# KiCad board JBX16SMD.kicad_pcb (continued)
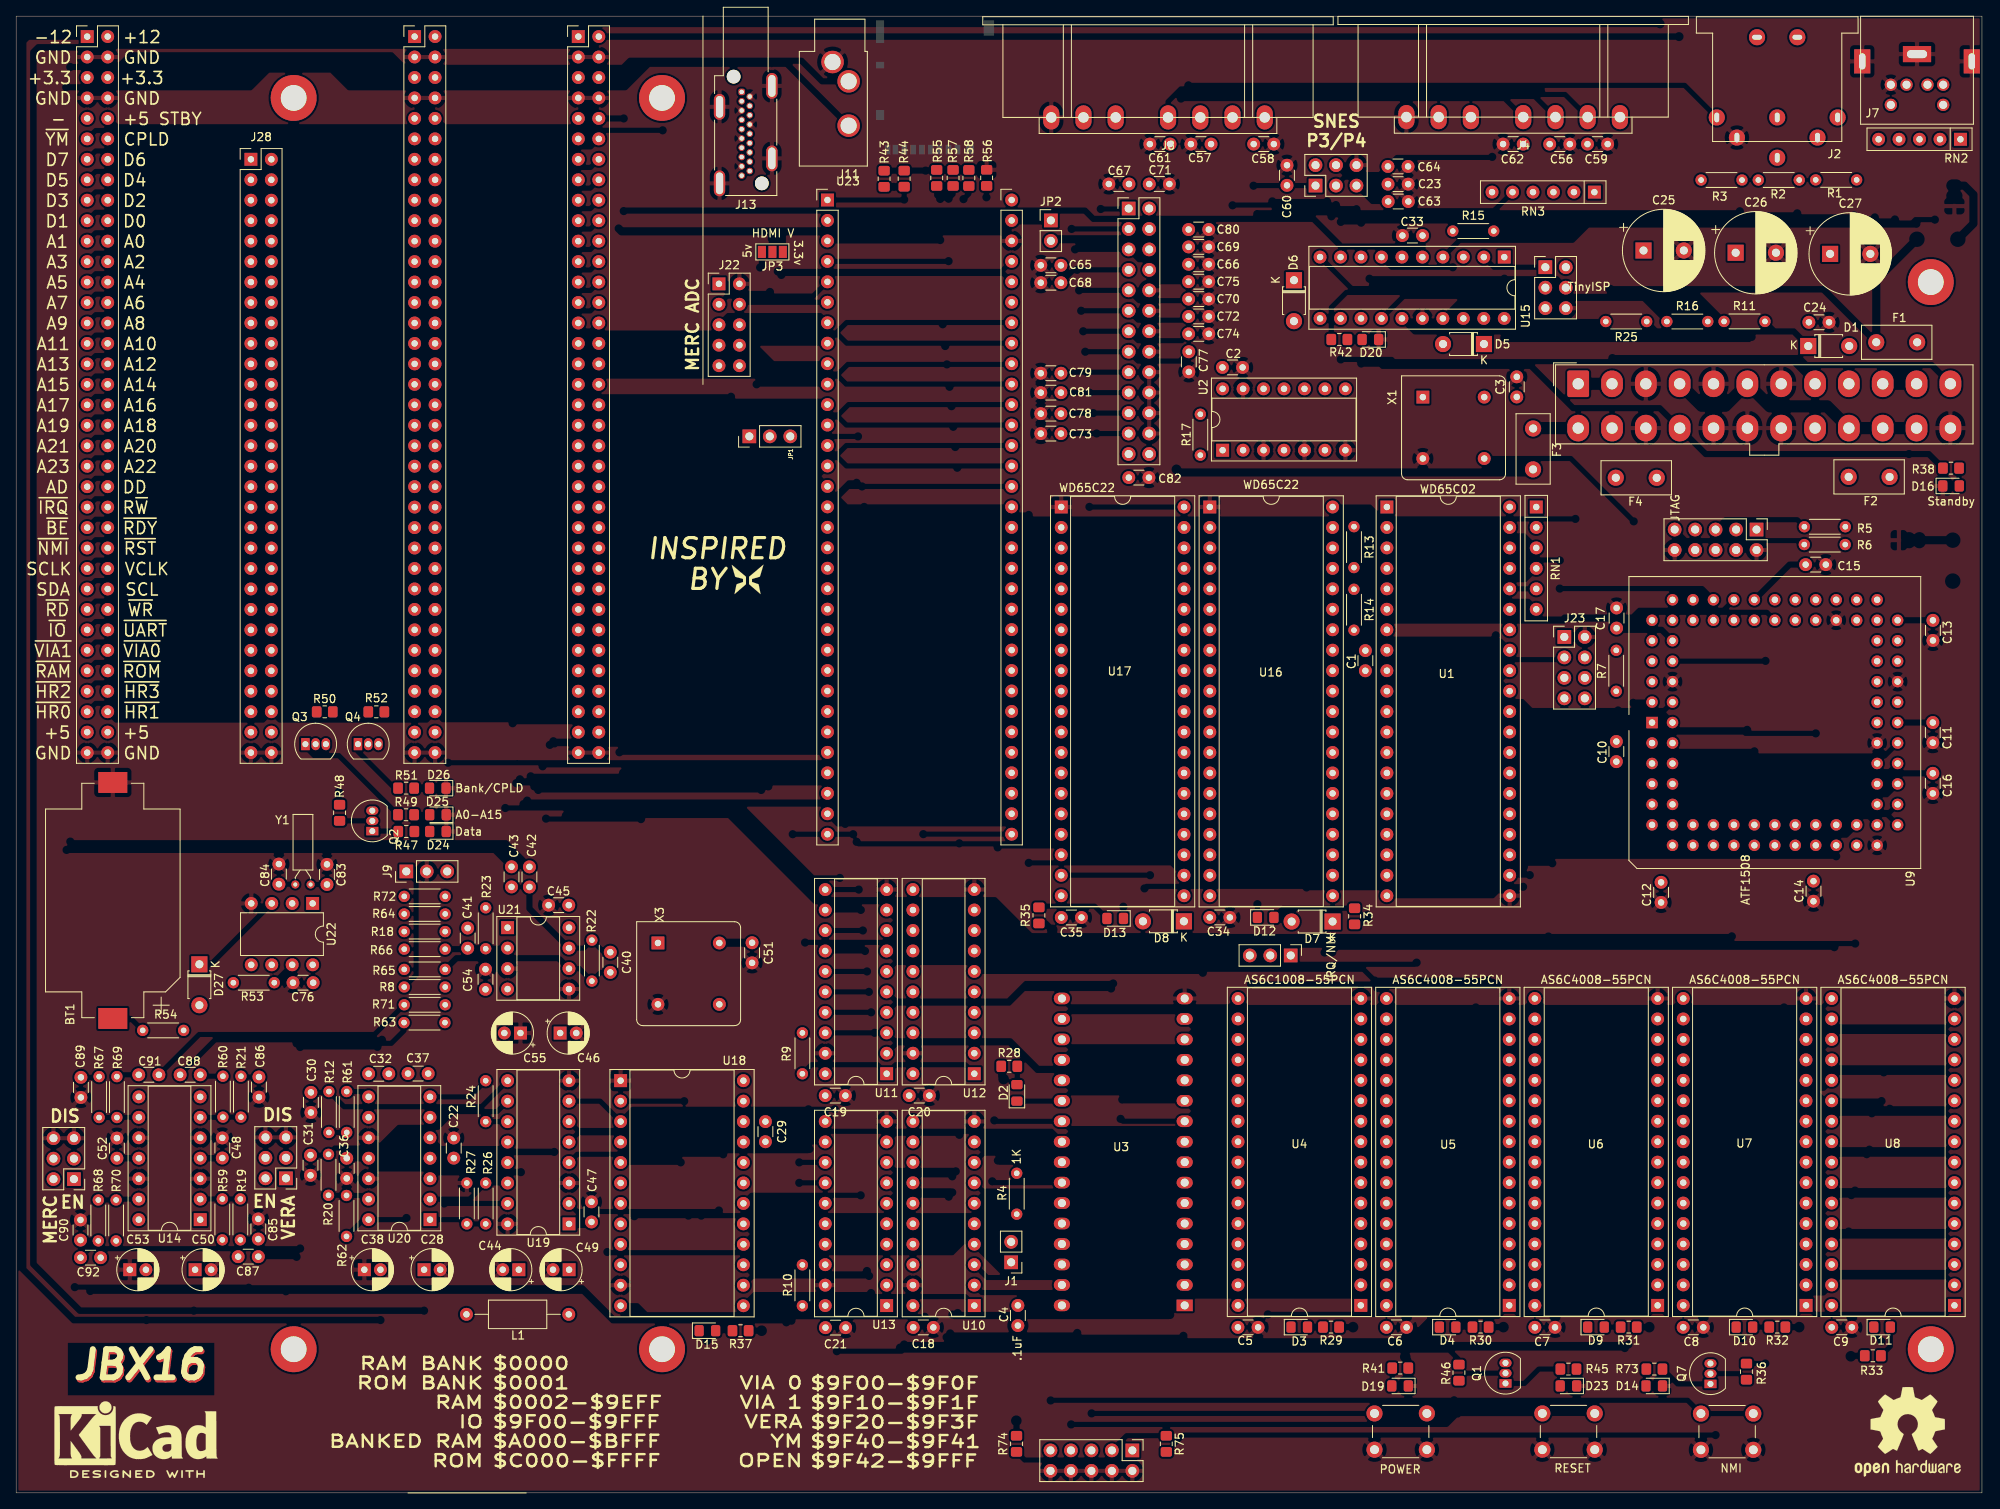
[diagram p0: board, top side]
## Placement (name value [footprint] x y rotation side) (continued)
U8  AS6C4008-55PCN  [DIP-32_W15.24mm_Socket]  240.59 23.28 180 top
U9  ATF1508  [PLCC-84_THT-Socket]  203.05 95.64 90 top
U10  74HC245  [DIP-20_W7.62mm_Socket]  118.93 23.25 180 top
U11  74HC245  [DIP-20_W7.62mm_Socket]  108.05 52.04 180 top
U12  74HC245  [DIP-20_W7.62mm_Socket]  118.93 52.04 180 top
U13  74HC245  [DIP-20_W7.62mm_Socket]  108.05 23.25 180 top
U14  TL074  [DIP-14_W7.62mm_Socket]  22.85 33.93 180 top
U15  ATtiny861-20PU  [DIP-20_W7.62mm_Socket]  184.71 153.43 270 top
U16  WD65C22  [DIP-40_W15.24mm_Socket]  148.16 122.4 0 top
U17  WD65C22  [DIP-40_W15.24mm_Socket]  129.72 122.4 0 top
U18  YM2151  [DIP-24_W15.24mm_Socket]  75.03 51.18 0 top
U19  YM3012  [DIP-16_W7.62mm_Socket]  68.63 33.39 180 top
U20  TL074  [DIP-14_W7.62mm_Socket]  51.37 33.93 180 top
U21  TL072  [DIP-8_W7.62mm_Socket]  61 70.17 0 top
U22  MCP7940N-xP  [DIP-8_W7.62mm]  36.81 73.18 270 top
U23  MercuryII-FPGA  [MercuryII_FPGA]  100.71 160.52 0 top
X1  16mhz  [Oscillator_DIP-8]  174.6 136.04 270 top
X3  3.579545MHz  [Oscillator_DIP-8]  79.66 68.27 270 top
Y1  32.768KHz  [Crystal_C26-LF_D2.1mm_L6.5mm_Horizontal]  36.55 75.53 180 top

## Library data of the parts
JP3 = -: Field4: 1; Field5: 3

## Footprints (pads in the part's own frame, mm; a bottom-side part is the same pattern mirrored in y, then rotated)
BatteryHolder_Keystone_1060_1x2032
  rect 2.6x3.6 smd: 1(-14.65,0) 2(14.65,0)
C_Disc_D3.0mm_W1.6mm_P2.50mm
  round 1.6 hole 0.8: 1(0,0) 2(2.5,0)
CP_Radial_D5.0mm_P2.00mm
  rect 1.6x1.6 hole 0.8: 1(0,0)
  round 1.6 hole 0.8: 2(2,0)
CP_Radial_D10.0mm_P5.00mm
  rect 2x2 hole 1: 1(0,0)
  round 2 hole 1: 2(5,0)
Crystal_C26-LF_D2.1mm_L6.5mm_Horizontal
  round 1 hole 0.5: 1(0,0) 2(1.9,0)
D_T-1_P5.08mm_Horizontal
  rect 2x2 hole 1: 1(0,0)
  oval 2x2 hole 1: 2(5.08,0)
DIN-6-IEC
  round 2 hole 1.2x0.6: 0(-2.5,2.54) 0(2.5,2.54)
  round 2 hole 0.6x1.2: 1(7.5,12.5) 2(5,15) 3(0,12.5) 4(-5,15) 5(-7.5,12.5) 6(0,17.5)
DIP-8_W7.62mm
  rect 1.6x1.6 hole 0.8: 1(0,0)
  oval 1.6x1.6 hole 0.8: 2(0,-2.54) 3(0,-5.08) 4(0,-7.62) 5(7.62,-7.62) 6(7.62,-5.08) 7(7.62,-2.54) 8(7.62,0)
DIP-8_W7.62mm_Socket
  rect 1.6x1.6 hole 0.8: 1(0,0)
  oval 1.6x1.6 hole 0.8: 2(0,-2.54) 3(0,-5.08) 4(0,-7.62) 5(7.62,-7.62) 6(7.62,-5.08) 7(7.62,-2.54) 8(7.62,0)
DIP-14_W7.62mm_Socket
  rect 1.6x1.6 hole 0.8: 1(0,0)
  oval 1.6x1.6 hole 0.8: 2(0,-2.54) 3(0,-5.08) 4(0,-7.62) 5(0,-10.16) 6(0,-12.7) 7(0,-15.24) 8(7.62,-15.24) 9(7.62,-12.7) 10(7.62,-10.16) 11(7.62,-7.62) 12(7.62,-5.08) 13(7.62,-2.54) 14(7.62,0)
DIP-16_W7.62mm_Socket
  rect 1.6x1.6 hole 0.8: 1(0,0)
  oval 1.6x1.6 hole 0.8: 2(0,-2.54) 3(0,-5.08) 4(0,-7.62) 5(0,-10.16) 6(0,-12.7) 7(0,-15.24) 8(0,-17.78) 9(7.62,-17.78) 10(7.62,-15.24) 11(7.62,-12.7) 12(7.62,-10.16) 13(7.62,-7.62) 14(7.62,-5.08) 15(7.62,-2.54) 16(7.62,0)
DIP-20_W7.62mm_Socket
  rect 1.6x1.6 hole 0.8: 1(0,0)
  oval 1.6x1.6 hole 0.8: 2(0,-2.54) 3(0,-5.08) 4(0,-7.62) 5(0,-10.16) 6(0,-12.7) 7(0,-15.24) 8(0,-17.78) 9(0,-20.32) 10(0,-22.86) 11(7.62,-22.86) 12(7.62,-20.32) 13(7.62,-17.78) 14(7.62,-15.24) 15(7.62,-12.7) 16(7.62,-10.16) 17(7.62,-7.62) 18(7.62,-5.08) 19(7.62,-2.54) 20(7.62,0)
DIP-24_W15.24mm_Socket
  rect 1.6x1.6 hole 0.8: 1(0,0)
  oval 1.6x1.6 hole 0.8: 2(0,-2.54) 3(0,-5.08) 4(0,-7.62) 5(0,-10.16) 6(0,-12.7) 7(0,-15.24) 8(0,-17.78) 9(0,-20.32) 10(0,-22.86) 11(0,-25.4) 12(0,-27.94) 13(15.24,-27.94) 14(15.24,-25.4) 15(15.24,-22.86) 16(15.24,-20.32) 17(15.24,-17.78) 18(15.24,-15.24) 19(15.24,-12.7) 20(15.24,-10.16) 21(15.24,-7.62) 22(15.24,-5.08) 23(15.24,-2.54) 24(15.24,0)
DIP-32_W15.24mm_Socket
  rect 1.6x1.6 hole 0.8: 1(0,0)
  oval 1.6x1.6 hole 0.8: 2(0,-2.54) 3(0,-5.08) 4(0,-7.62) 5(0,-10.16) 6(0,-12.7) 7(0,-15.24) 8(0,-17.78) 9(0,-20.32) 10(0,-22.86) 11(0,-25.4) 12(0,-27.94) 13(0,-30.48) 14(0,-33.02) 15(0,-35.56) 16(0,-38.1) 17(15.24,-38.1) 18(15.24,-35.56) 19(15.24,-33.02) 20(15.24,-30.48) 21(15.24,-27.94) 22(15.24,-25.4) 23(15.24,-22.86) 24(15.24,-20.32) 25(15.24,-17.78) 26(15.24,-15.24) 27(15.24,-12.7) 28(15.24,-10.16) 29(15.24,-7.62) 30(15.24,-5.08) 31(15.24,-2.54) 32(15.24,0)
DIP-40_W15.24mm_Socket
  rect 1.6x1.6 hole 0.8: 1(0,0)
  oval 1.6x1.6 hole 0.8: 2(0,-2.54) 3(0,-5.08) 4(0,-7.62) 5(0,-10.16) 6(0,-12.7) 7(0,-15.24) 8(0,-17.78) 9(0,-20.32) 10(0,-22.86) 11(0,-25.4) 12(0,-27.94) 13(0,-30.48) 14(0,-33.02) 15(0,-35.56) 16(0,-38.1) 17(0,-40.64) 18(0,-43.18) 19(0,-45.72) 20(0,-48.26) 21(15.24,-48.26) 22(15.24,-45.72) 23(15.24,-43.18) 24(15.24,-40.64) 25(15.24,-38.1) 26(15.24,-35.56) 27(15.24,-33.02) 28(15.24,-30.48) 29(15.24,-27.94) 30(15.24,-25.4) 31(15.24,-22.86) 32(15.24,-20.32) 33(15.24,-17.78) 34(15.24,-15.24) 35(15.24,-12.7) 36(15.24,-10.16) 37(15.24,-7.62) 38(15.24,-5.08) 39(15.24,-2.54) 40(15.24,0)
DIP_Socket-32_W11.9_W12.7_W15.24_W17.78_W18.5_3M_232-1285-00-0602J
  rect 2x1.44 hole 1: 1(0,0)
  oval 2x1.44 hole 1: 2(0,-2.54) 3(0,-5.08) 4(0,-7.62) 5(0,-10.16) 6(0,-12.7) 7(0,-15.24) 8(0,-17.78) 9(0,-20.32) 10(0,-22.86) 11(0,-25.4) 12(0,-27.94) 13(0,-30.48) 14(0,-33.02) 15(0,-35.56) 16(0,-38.1) 17(15.24,-38.1) 18(15.24,-35.56) 19(15.24,-33.02) 20(15.24,-30.48) 21(15.24,-27.94) 22(15.24,-25.4) 23(15.24,-22.86) 24(15.24,-20.32) 25(15.24,-17.78) 26(15.24,-15.24) 27(15.24,-12.7) 28(15.24,-10.16) 29(15.24,-7.62) 30(15.24,-5.08) 31(15.24,-2.54) 32(15.24,0)
Fuse_Littelfuse_395Series
  round 2 hole 1: 1(0,0) 2(5.08,-0.01)
HDMI_A_Kycon_KDMIX-SL1-NS-WS-B15_VerticalRightAngle
  round 1.7 hole 1.7 unplated: (-2.5,11.35) (1,-1.9)
  rrect 0.8x0.8 hole 0.55: 1(0,0)
  round 0.8 hole 0.55: 2(-1,0.578) 3(0,1.155) 4(-1,1.732) 5(0,2.31) 6(-1,2.888) 7(0,3.465) 8(-1,4.043) 9(0,4.62) 10(-1,5.197) 11(0,5.775) 12(-1,6.353) 13(0,6.93) 14(-1,7.508) 15(0,8.085) 16(-1,8.662) 17(0,9.24) 18(-1,9.818) 19(0,10.395)
  oval 1.4x3.2 hole 0.9x2.7: SH(-3.75,8.25) SH(-3.75,-0.75) SH(2.75,11.35) SH(2.75,1.85)
Jack_3.5mm_CUI_SJ1-3533NG_Horizontal_CircularHoles
  round 2.8 hole 2: R(2,-7.9) S(0,0) T(2,-2.4)
L_Axial_L7.0mm_D3.3mm_P12.70mm_Horizontal_Fastron_MICC
  round 1.6 hole 0.8: 1(0,0)
  oval 1.6x1.6 hole 0.8: 2(12.7,0)
LED_0805_2012Metric_Pad1.15x1.40mm_HandSolder
  rrect 1.15x1.4 smd: 1(-1.025,0) 2(1.025,0)
MD-60SM
  rect 2x3 hole 0.8x2: 0(-6.8,-2.9) 0(6.8,-2.9)
  rect 3.5x2 hole 2.5x1: 0(0,-3.8)
  round 1.524 hole 1: 1(1.3,0) 2(-1.3,0) 3(3.25,0) 4(-3.25,0) 5(3.25,2.5) 6(-3.25,2.5)
MercuryII_FPGA
  rect 1.6x1.6 hole 0.8: 1(0,0)
  oval 1.6x1.6 hole 0.8: 2(0,-2.54) 3(0,-5.08) 4(0,-7.62) 5(0,-10.16) 6(0,-12.7) 7(0,-15.24) 8(0,-17.78) 9(0,-20.32) 10(0,-22.86) 11(0,-25.4) 12(0,-27.94) 13(0,-30.48) 14(0,-33.02) 15(0,-35.56) 16(0,-38.1) 17(0,-40.64) 18(0,-43.18) 19(0,-45.72) 20(0,-48.26) 21(0,-50.8) 22(0,-53.34) 23(0,-55.88) 24(0,-58.42) 25(0,-60.96) 26(0,-63.5) 27(0,-66.04) 28(0,-68.58) 29(0,-71.12) 30(0,-73.66) 31(0,-76.2) 32(0,-78.74) 33(22.86,-78.74) 34(22.86,-76.2) 35(22.86,-73.66) 36(22.86,-71.12) 37(22.86,-68.58) 38(22.86,-66.04) 39(22.86,-63.5) 40(22.86,-60.96) 41(22.86,-58.42) 42(22.86,-55.88) 43(22.86,-53.34) 44(22.86,-50.8) 45(22.86,-48.26) 46(22.86,-45.72) 47(22.86,-43.18) 48(22.86,-40.64) 49(22.86,-38.1) 50(22.86,-35.56) 51(22.86,-33.02) 52(22.86,-30.48) 53(22.86,-27.94) 54(22.86,-25.4) 55(22.86,-22.86) 56(22.86,-20.32) 57(22.86,-17.78) 58(22.86,-15.24) 59(22.86,-12.7) 60(22.86,-10.16) 61(22.86,-7.62) 62(22.86,-5.08) 63(22.86,-2.54) 64(22.86,0)
microSD_HC_Hirose_DM3AT-SF-PEJM5
  rect 0.7x1.2 smd: 1(2.775,7.725) 2(1.675,7.725) 3(0.575,7.725) 4(-0.525,7.725) 5(-1.625,7.725) 6(-2.725,7.725) 7(-3.825,7.725) 8(-4.925,7.725) 9(-5.875,7.725)
  rect 1x0.8 smd: 10(-6.825,-2.775)
  rect 1x2.8 smd: 11(-6.825,-6.925)
  rect 1x1.2 smd: 11(-6.825,3.425) 11(4.325,7.725)
  rect 1.3x1.9 smd: 11(6.675,-7.375)
Molex_Mini-Fit_Jr_5566-24A_2x12_P4.20mm_Vertical
  rrect 2.7x3.3 hole 1.4: 1(0,0)
  oval 2.7x3.3 hole 1.4: 2(4.2,0) 3(8.4,0) 4(12.6,0) 5(16.8,0) 6(21,0) 7(25.2,0) 8(29.4,0) 9(33.6,0) 10(37.8,0) 11(42,0) 12(46.2,0) 13(0,-5.5) 14(4.2,-5.5) 15(8.4,-5.5) 16(12.6,-5.5) 17(16.8,-5.5) 18(21,-5.5) 19(25.2,-5.5) 20(29.4,-5.5) 21(33.6,-5.5) 22(37.8,-5.5) 23(42,-5.5) 24(46.2,-5.5)
MountingHole_3.2mm_M3_ISO7380_Pad
  round 5.7 hole 3.2: 1(0,0)
Oscillator_DIP-8
  rect 1.6x1.6 hole 0.8: 1(0,0)
  round 1.6 hole 0.8: 4(7.62,0) 5(7.62,7.62) 8(0,7.62)
PinHeader_1x02_P2.54mm_Vertical
  rect 1.7x1.7 hole 1: 1(0,0)
  oval 1.7x1.7 hole 1: 2(0,-2.54)
PinHeader_1x03_P2.54mm_Vertical
  rect 1.7x1.7 hole 1: 1(0,0)
  oval 1.7x1.7 hole 1: 2(0,-2.54) 3(0,-5.08)
PinHeader_2x03_P2.54mm_Vertical
  rect 1.7x1.7 hole 1: 1(0,0)
  oval 1.7x1.7 hole 1: 2(2.54,0) 3(0,-2.54) 4(2.54,-2.54) 5(0,-5.08) 6(2.54,-5.08)
PinHeader_2x04_P2.54mm_Vertical
  rect 1.7x1.7 hole 1: 1(0,0)
  oval 1.7x1.7 hole 1: 2(2.54,0) 3(0,-2.54) 4(2.54,-2.54) 5(0,-5.08) 6(2.54,-5.08) 7(0,-7.62) 8(2.54,-7.62)
PinHeader_2x05_P2.54mm_Vertical
  rect 1.7x1.7 hole 1: 1(0,0)
  oval 1.7x1.7 hole 1: 2(2.54,0) 3(0,-2.54) 4(2.54,-2.54) 5(0,-5.08) 6(2.54,-5.08) 7(0,-7.62) 8(2.54,-7.62) 9(0,-10.16) 10(2.54,-10.16)
PinHeader_2x05_P2.54mm_Vertical#2
  rect 1.6x1.6 hole 0.8: 1(0,0)
  oval 1.6x1.6 hole 0.8: 2(2.54,0) 3(0,-2.54) 4(2.54,-2.54) 5(0,-5.08) 6(2.54,-5.08) 7(0,-7.62) 8(2.54,-7.62) 9(0,-10.16) 10(2.54,-10.16)
PinHeader_2x13_P2.54mm_Vertical
  rect 1.7x1.7 hole 1: 1(0,0)
  oval 1.7x1.7 hole 1: 2(2.54,0) 3(0,-2.54) 4(2.54,-2.54) 5(0,-5.08) 6(2.54,-5.08) 7(0,-7.62) 8(2.54,-7.62) 9(0,-10.16) 10(2.54,-10.16) 11(0,-12.7) 12(2.54,-12.7) 13(0,-15.24) 14(2.54,-15.24) 15(0,-17.78) 16(2.54,-17.78) 17(0,-20.32) 18(2.54,-20.32) 19(0,-22.86) 20(2.54,-22.86) 21(0,-25.4) 22(2.54,-25.4) 23(0,-27.94) 24(2.54,-27.94) 25(0,-30.48) 26(2.54,-30.48)
PinSocket_2x30_P2.54mm_Vertical
  rect 1.6x1.6 hole 0.8: 1(0,0)
  oval 1.6x1.6 hole 0.8: 2(2.54,0) 3(0,-2.54) 4(2.54,-2.54) 5(0,-5.08) 6(2.54,-5.08) 7(0,-7.62) 8(2.54,-7.62) 9(0,-10.16) 10(2.54,-10.16) 11(0,-12.7) 12(2.54,-12.7) 13(0,-15.24) 14(2.54,-15.24) 15(0,-17.78) 16(2.54,-17.78) 17(0,-20.32) 18(2.54,-20.32) 19(0,-22.86) 20(2.54,-22.86) 21(0,-25.4) 22(2.54,-25.4) 23(0,-27.94) 24(2.54,-27.94) 25(0,-30.48) 26(2.54,-30.48) 27(0,-33.02) 28(2.54,-33.02) 29(0,-35.56) 30(2.54,-35.56) 31(0,-38.1) 32(2.54,-38.1) 33(0,-40.64) 34(2.54,-40.64) 35(0,-43.18) 36(2.54,-43.18) 37(0,-45.72) 38(2.54,-45.72) 39(0,-48.26) 40(2.54,-48.26) 41(0,-50.8) 42(2.54,-50.8) 43(0,-53.34) 44(2.54,-53.34) 45(0,-55.88) 46(2.54,-55.88) 47(0,-58.42) 48(2.54,-58.42) 49(0,-60.96) 50(2.54,-60.96) 51(0,-63.5) 52(2.54,-63.5) 53(0,-66.04) 54(2.54,-66.04) 55(0,-68.58) 56(2.54,-68.58) 57(0,-71.12) 58(2.54,-71.12) 59(0,-73.66) 60(2.54,-73.66)
PinSocket_2x36_P2.54mm_Vertical
  rect 1.6x1.6 hole 0.8: 1(-2.54,0)
  oval 1.6x1.6 hole 0.8: 2(0,0) 3(-2.54,-2.54) 4(0,-2.54) 5(-2.54,-5.08) 6(0,-5.08) 7(-2.54,-7.62) 8(0,-7.62) 9(-2.54,-10.16) 10(0,-10.16) 11(-2.54,-12.7) 12(0,-12.7) 13(-2.54,-15.24) 14(0,-15.24) 15(-2.54,-17.78) 16(0,-17.78) 17(-2.54,-20.32) 18(0,-20.32) 19(-2.54,-22.86) 20(0,-22.86) 21(-2.54,-25.4) 22(0,-25.4) 23(-2.54,-27.94) 24(0,-27.94) 25(-2.54,-30.48) 26(0,-30.48) 27(-2.54,-33.02) 28(0,-33.02) 29(-2.54,-35.56) 30(0,-35.56) 31(-2.54,-38.1) 32(0,-38.1) 33(-2.54,-40.64) 34(0,-40.64) 35(-2.54,-43.18) 36(0,-43.18) 37(-2.54,-45.72) 38(0,-45.72) 39(-2.54,-48.26) 40(0,-48.26) 41(-2.54,-50.8) 42(0,-50.8) 43(-2.54,-53.34) 44(0,-53.34) 45(-2.54,-55.88) 46(0,-55.88) 47(-2.54,-58.42) 48(0,-58.42) 49(-2.54,-60.96) 50(0,-60.96) 51(-2.54,-63.5) 52(0,-63.5) 53(-2.54,-66.04) 54(0,-66.04) 55(-2.54,-68.58) 56(0,-68.58) 57(-2.54,-71.12) 58(0,-71.12) 59(-2.54,-73.66) 60(0,-73.66) 61(-2.54,-76.2) 62(0,-76.2) 63(-2.54,-78.74) 64(0,-78.74) 65(-2.54,-81.28) 66(0,-81.28) 67(-2.54,-83.82) 68(0,-83.82) 69(-2.54,-86.36) 70(0,-86.36) 71(-2.54,-88.9) 72(0,-88.9)
PinSocket_2x36_P2.54mm_Vertical#2
  rect 1.6x1.6 hole 0.8: 1(0,0)
  oval 1.6x1.6 hole 0.8: 2(2.54,0) 3(0,-2.54) 4(2.54,-2.54) 5(0,-5.08) 6(2.54,-5.08) 7(0,-7.62) 8(2.54,-7.62) 9(0,-10.16) 10(2.54,-10.16) 11(0,-12.7) 12(2.54,-12.7) 13(0,-15.24) 14(2.54,-15.24) 15(0,-17.78) 16(2.54,-17.78) 17(0,-20.32) 18(2.54,-20.32) 19(0,-22.86) 20(2.54,-22.86) 21(0,-25.4) 22(2.54,-25.4) 23(0,-27.94) 24(2.54,-27.94) 25(0,-30.48) 26(2.54,-30.48) 27(0,-33.02) 28(2.54,-33.02) 29(0,-35.56) 30(2.54,-35.56) 31(0,-38.1) 32(2.54,-38.1) 33(0,-40.64) 34(2.54,-40.64) 35(0,-43.18) 36(2.54,-43.18) 37(0,-45.72) 38(2.54,-45.72) 39(0,-48.26) 40(2.54,-48.26) 41(0,-50.8) 42(2.54,-50.8) 43(0,-53.34) 44(2.54,-53.34) 45(0,-55.88) 46(2.54,-55.88) 47(0,-58.42) 48(2.54,-58.42) 49(0,-60.96) 50(2.54,-60.96) 51(0,-63.5) 52(2.54,-63.5) 53(0,-66.04) 54(2.54,-66.04) 55(0,-68.58) 56(2.54,-68.58) 57(0,-71.12) 58(2.54,-71.12) 59(0,-73.66) 60(2.54,-73.66) 61(0,-76.2) 62(2.54,-76.2) 63(0,-78.74) 64(2.54,-78.74) 65(0,-81.28) 66(2.54,-81.28) 67(0,-83.82) 68(2.54,-83.82) 69(0,-86.36) 70(2.54,-86.36) 71(0,-88.9) 72(2.54,-88.9)
PLCC-84_THT-Socket
  rect 1.422x1.422 hole 0.8: 1(0,0)
  round 1.422 hole 0.8: 2(0,-2.54) 3(-2.54,0) 4(-2.54,-2.54) 5(-5.08,0) 6(-5.08,-2.54) 7(-7.62,0) 8(-7.62,-2.54) 9(-10.16,0) 10(-10.16,-2.54) 11(-12.7,0) 12(-15.24,-2.54) 13(-12.7,-2.54) 14(-15.24,-5.08) 15(-12.7,-5.08) 16(-15.24,-7.62) 17(-12.7,-7.62) 18(-15.24,-10.16) 19(-12.7,-10.16) 20(-15.24,-12.7) 21(-12.7,-12.7) 22(-15.24,-15.24) 23(-12.7,-15.24) 24(-15.24,-17.78) 25(-12.7,-17.78) 26(-15.24,-20.32) 27(-12.7,-20.32) 28(-15.24,-22.86) 29(-12.7,-22.86) 30(-15.24,-25.4) 31(-12.7,-25.4) 32(-15.24,-27.94) 33(-12.7,-30.48) 34(-12.7,-27.94) 35(-10.16,-30.48) 36(-10.16,-27.94) 37(-7.62,-30.48) 38(-7.62,-27.94) 39(-5.08,-30.48) 40(-5.08,-27.94) 41(-2.54,-30.48) 42(-2.54,-27.94) 43(0,-30.48) 44(0,-27.94) 45(2.54,-30.48) 46(2.54,-27.94) 47(5.08,-30.48) 48(5.08,-27.94) 49(7.62,-30.48) 50(7.62,-27.94) 51(10.16,-30.48) 52(10.16,-27.94) 53(12.7,-30.48) 54(15.24,-27.94) 55(12.7,-27.94) 56(15.24,-25.4) 57(12.7,-25.4) 58(15.24,-22.86) 59(12.7,-22.86) 60(15.24,-20.32) 61(12.7,-20.32) 62(15.24,-17.78) 63(12.7,-17.78) 64(15.24,-15.24) 65(12.7,-15.24) 66(15.24,-12.7) 67(12.7,-12.7) 68(15.24,-10.16) 69(12.7,-10.16) 70(15.24,-7.62) 71(12.7,-7.62) 72(15.24,-5.08) 73(12.7,-5.08) 74(15.24,-2.54) 75(12.7,0) 76(12.7,-2.54) 77(10.16,0) 78(10.16,-2.54) 79(7.62,0) 80(7.62,-2.54) 81(5.08,0) 82(5.08,-2.54) 83(2.54,0) 84(2.54,-2.54)
R_0805_2012Metric_Pad1.20x1.40mm_HandSolder
  rrect 1.2x1.4 smd: 1(-1,0) 2(1,0)
R_Array_SIP5
  rect 1.6x1.6 hole 0.8: 1(0,0)
  oval 1.6x1.6 hole 0.8: 2(2.54,0) 3(5.08,0) 4(7.62,0) 5(10.16,0)
R_Array_SIP6
  rect 1.6x1.6 hole 0.8: 1(0,0)
  oval 1.6x1.6 hole 0.8: 2(2.54,0) 3(5.08,0) 4(7.62,0) 5(10.16,0) 6(12.7,0)
R_Axial_DIN0204_L3.6mm_D1.6mm_P5.08mm_Horizontal
  round 1.4 hole 0.7: 1(0,0)
  oval 1.4x1.4 hole 0.7: 2(5.08,0)
SNES
  oval 2x3 hole 1.3: 1(0,0) 2(4,0) 3(8,0) 4(12,0) 5(18.5,0) 6(22.5,0) 7(26.5,0)
SolderJumper-3_P1.3mm_Open_Pad1.0x1.5mm_NumberLabels
  rect 1x1.5 smd: 1(-1.3,0) 2(0,0) 3(1.3,0)
SW_PUSH_6mm
  round 2 hole 1.1: 1(0,0) 1(6.5,0) 2(0,-4.5) 2(6.5,-4.5)
TO-92_Inline
  rect 1.05x1.5 hole 0.75: 1(0,0)
  oval 1.05x1.5 hole 0.75: 2(1.27,0) 3(2.54,0)

## Nets
5VSB: C24.1 C33.2 D1.1 J5.2 J12.10 J20.10 J21.10 R11.2 R15.2 R16.2 R25.1 U15.5 U15.15
+3V3: F3.2 JP2.2
+5V: C1.1 C2.1 C3.1 C4.1 C5.1 C6.1 C7.1 C8.1 C9.1 C10.1 C11.1 C12.1 C13.1 C14.1 C15.1 C16.1 C17.1 C18.2 C19.2 C20.2 C21.2 C25.1 C26.1 C27.1 C29.1 C34.1 C35.1 C51.1 C76.1 F2.2 J3.4 J4.1 J7.4 J8.1 J12.69 J12.70 J17.26 J18.2 J20.69 J20.70 J21.69 J21.70 J23.1 J28.57 J28.58 JP1.1 JP3.3 L1.1 Q1.3 Q2.3 Q3.3 Q4.3 Q7.3 R1.1 R2.1 R3.1 R4.1 R5.1 R6.1 R7.1 R9.1 R10.1 R13.2 R14.2 R17.1 R28.1 R29.1 R30.1 R31.1 R32.1 R33.1 R34.1 R35.1 R37.1 R41.1 R53.2 R74.2 RN1.1 RN2.1 RN3.1 U1.8 U2.14 U3.32 U4.30 U4.32 U5.32 U6.32 U7.32 U8.32 U9.3 U9.13 U9.26 U9.38 U9.43 U9.53 U9.66 U9.78 U10.20 U11.20 U12.20 U13.20 U16.20 U16.24 U17.20 U17.24 U18.22 U22.8 U23.64 X1.1 X1.8 X3.1 X3.8
+12V: C22.1 C28.1 C45.1 C46.1 C48.1 C50.1 F1.2 J12.2 J20.2 J21.2 U14.4 U20.4 U21.8
-12V: C36.1 C38.2 C52.1 C53.2 C54.1 C55.2 F4.2 J12.1 J20.1 J21.1 U14.11 U20.11 U21.4
dVCC: C47.1 C49.1 L1.2 U19.1
GND: BT1.2 C1.2 C2.2 C3.2 C4.2 C5.2 C6.2 C7.2 C8.2 C9.2 C10.2 C11.2 C12.2 C13.2 C14.2 C15.2 C16.2 C17.2 C18.1 C19.1 C20.1 C21.1 C22.2 C23.2 C24.2 C25.2 C26.2 C27.2 C28.2 C29.2 C30.2 C31.2 C33.1 C34.2 C35.2 C36.2 C38.1 C44.2 C45.2 C46.2 C47.2 C48.2 C49.2 C50.2 C51.2 C52.2 C53.1 C54.2 C55.1 C56.2 C57.2 C58.2 C59.2 C60.2 C61.2 C62.2 C63.2 C64.2 C65.2 C66.2 C67.2 C68.2 C69.2 C70.2 C71.2 C72.2 C73.2 C74.2 C75.2 C76.2 C77.2 C78.2 C79.2 C80.2 C81.2 C82.2 C83.1 C84.1 C85.2 C86.2 C89.2 C90.2 D14.1 D16.1 D19.1 D20.1 D23.1 D24.1 D25.1 D26.1 J2.2 J3.2 J3.10 J4.7 J5.6 J7.0 J7.3 J8.7 J9.2 J10.5 J10.6 J11.S J12.3 J12.4 J12.7 J12.8 J12.71 J12.72 J13.2 J13.5 J13.8 J13.11 J13.17 J13.SH J14.5 J14.6 J15.2 J15.4 J15.6 J15.8 J15.10 J16.6 J16.9 J17.10 J17.12 J17.14 J17.16 J17.18 J17.20 J17.22 J17.24 J18.6 J19.3 J19.5 J19.7 J19.15 J19.17 J19.18 J19.19 J19.24 J20.3 J20.4 J20.7 J20.8 J20.71 J20.72 J21.3 J21.4 J21.7 J21.8 J21.71 J21.72 J22.2 J23.2 J28.59 J28.60 R27.2 R56.2 SW1.2 SW2.2 SW3.2 U1.21 U2.3 U2.5 U2.7 U2.13 U3.16 U4.16 U5.16 U6.16 U7.16 U8.16 U9.7 U9.19 U9.32 U9.42 U9.47 U9.59 U9.72 U9.82 U10.10 U10.19 U11.10 U11.19 U12.10 U12.19 U13.10 U13.19 U14.3 U14.5 U14.10 U14.12 U15.6 U15.16 U16.1 U17.1 U18.1 U18.11 U19.3 U19.8 U19.16 U20.10 U20.12 U21.3 U21.5 U22.4 U23.62 X1.4 X3.4
V0CA1: J23.4 U16.40
V0CA2: J23.3 U16.39
V0CB2: J23.5 U16.19
V0PB0: J23.7 U16.10
V0PB1: J23.8 U16.11
V0PB2: J23.6 U16.12
V1A0: C65.1 J17.3 U17.2
V1A1: C66.1 J17.5 U17.3
V1A2: C68.1 J17.7 U17.4
V1A3: C70.1 J17.9 U17.5
V1A4: C72.1 J17.11 U17.6
V1A5: C74.1 J17.13 U17.7
V1A6: C77.1 J17.15 U17.8
V1A7: C79.1 J17.17 U17.9
V1B0: C67.1 J17.1 U17.10
V1B1: C69.1 J17.6 U17.11
V1B2: C71.1 J17.2 U17.12
V1B3: C73.1 J17.23 U17.13
V1B4: C75.1 J17.8 U17.14
V1B5: C78.1 J17.21 U17.15 U17.18
V1B6: C81.1 J17.19 U17.16 U17.40
V1B7: C82.1 J17.25 U17.17 U17.39
V1CB2: C80.1 J17.4 U17.19
/+3.3: F3.1 J19.1 J19.2 J19.12 J19.13
/+5: F2.1 J19.4 J19.6 J19.21 J19.22 J19.23
/+12: F1.1 J19.10 J19.11
/-12: F4.1 J19.14
/bc: R26.2 U19.14 U20.2
/MIXER_L: C40.2 R8.1 R22.2 R63.1 R65.1 R71.1 U21.6
/MIXER_R: C41.2 R18.1 R23.2 R64.1 R66.1 R72.1 U21.2
/mp: R26.1 R27.1 U19.13 U20.1
A0: U1.9 U3.12 U4.12 U5.12 U6.12 U7.12 U8.12 U9.44 U11.9 U16.38 U17.38
A1: U1.10 U3.11 U4.11 U5.11 U6.11 U7.11 U8.11 U9.45 U11.8 U16.37 U17.37
A2: U1.11 U3.10 U4.10 U5.10 U6.10 U7.10 U8.10 U9.46 U11.7 U16.36 U17.36
A3: U1.12 U3.9 U4.9 U5.9 U6.9 U7.9 U8.9 U9.48 U11.6 U16.35 U17.35
A4: U1.13 U3.8 U4.8 U5.8 U6.8 U7.8 U8.8 U9.49 U11.5
A5: U1.14 U3.7 U4.7 U5.7 U6.7 U7.7 U8.7 U9.50 U11.4
A6: U1.15 U3.6 U4.6 U5.6 U6.6 U7.6 U8.6 U9.51 U11.3
A7: U1.16 U3.5 U4.5 U5.5 U6.5 U7.5 U8.5 U9.52 U11.2
A8: U1.17 U3.27 U4.27 U5.27 U6.27 U7.27 U8.27 U9.40 U12.2
A9: U1.18 U3.26 U4.26 U5.26 U6.26 U7.26 U8.26 U9.36 U12.3
A10: U1.19 U3.23 U4.23 U5.23 U6.23 U7.23 U8.23 U9.35 U12.4
A11: U1.20 U3.25 U4.25 U5.25 U6.25 U7.25 U8.25 U9.34 U12.5
A12: U1.22 U3.4 U4.4 U5.4 U6.4 U7.4 U8.4 U9.33 U12.6
A13: U1.23 U3.28 U4.28 U9.37 U12.7
A14: U1.24 U4.3 U9.39 U12.8
A15: U1.25 U4.31 U9.41 U12.9
ACTLED: J5.1 R42.1 U15.2
adc0: J22.3 U23.5
adc1: J22.4 U23.6
adc2: J22.5 U23.7
adc3: J22.6 U23.8
adc4: J22.7 U23.9
adc5: J22.8 U23.10
adc6: J22.9 U23.11
adc7: J22.10 U23.12
ADRDD: J12.45 J20.45 J21.45 J28.33 R9.2 R50.1 U11.1 U12.1 U23.32
bA0: J12.22 J20.22 J21.22 J28.10 U11.11 U18.4 U23.50
bA1: J12.21 J20.21 J21.21 J28.9 U11.12 U23.49
bA2: J12.24 J20.24 J21.24 J28.12 U11.13 U23.48
bA3: J12.23 J20.23 J21.23 J28.11 U11.14 U23.45
bA4: J12.26 J20.26 J21.26 J28.14 U11.15 U23.44
bA5: J12.25 J20.25 J21.25 J28.13 U11.16 U23.43
bA6: J12.28 J20.28 J21.28 J28.16 U11.17 U23.42
bA7: J12.27 J20.27 J21.27 J28.15 U11.18 U23.41
bA8: J12.30 J20.30 J21.30 J28.18 U12.18 U23.40
bA9: J12.29 J20.29 J21.29 J28.17 U12.17 U23.39
bA10: J12.32 J20.32 J21.32 J28.20 U12.16 U23.38
bA11: J12.31 J20.31 J21.31 J28.19 U12.15 U23.37
bA12: J12.34 J20.34 J21.34 J28.22 U12.14 U23.36
bA13: J12.33 J20.33 J21.33 J28.21 U12.13 U23.35
bA14: J12.36 J20.36 J21.36 J28.24 U12.12 U23.34
bA15: J12.35 J20.35 J21.35 J28.23 U12.11 U23.33
bD0: J12.20 J20.20 J21.20 J28.8 U10.18 U18.10 U23.51
bD1: J12.19 J20.19 J21.19 J28.7 U10.17 U18.12 U23.52
bD2: J12.18 J20.18 J21.18 J28.6 U10.16 U18.13 U23.53
bD3: J12.17 J20.17 J21.17 J28.5 U10.15 U18.14 U23.54
bD4: J12.16 J20.16 J21.16 J28.4 U10.14 U18.15 U23.55
bD5: J12.15 J20.15 J21.15 J28.3 U10.13 U18.16 U23.56
bD6: J12.14 J20.14 J21.14 J28.2 U10.12 U18.17 U23.57
bD7: J12.13 J20.13 J21.13 J28.1 U10.11 U18.18 U23.58
BE: J12.49 J20.49 J21.49 J28.37 RN1.5 U1.36 U23.30
bUA16: J12.38 J20.38 J21.38 J28.26 U13.11
bUA17: J12.37 J20.37 J21.37 J28.25 U13.12
bUA18: J12.40 J20.40 J21.40 J28.28 U13.13
bUA19: J12.39 J20.39 J21.39 J28.27 U13.14
bUA20: J12.42 J20.42 J21.42 J28.30 U13.15
bUA21: J12.41 J20.41 J21.41 J28.29 U13.16
bUA22: J12.44 J20.44 J21.44 J28.32 U13.17
bUA23: J12.43 J20.43 J21.43 J28.31 U13.18
CH1: C30.1 R12.2 U19.9
CH2: C31.1 R20.2 U19.10
CLK: U9.83 X1.5
clk+: J13.10 U23.21
clk-: J13.12 U23.22
CPLDACT: Q7.1 R73.1 R75.2
cpldEn: J12.12 J20.12 J21.12 R7.2 R52.1 U9.84 U13.1
D0: U1.33 U3.13 U4.13 U5.13 U6.13 U7.13 U8.13 U9.15 U10.2 U16.33 U17.33
d0+: J13.7 U23.20
d0-: J13.9 U23.19
D1: U1.32 U3.14 U4.14 U5.14 U6.14 U7.14 U8.14 U9.16 U10.3 U16.32 U17.32
d1+: J13.4 U23.18
d1-: J13.6 U23.17
D2: U1.31 U3.15 U4.15 U5.15 U6.15 U7.15 U8.15 U9.24 U10.4 U16.31 U17.31
d2+: J13.1 U23.15
d2-: J13.3 U23.14
D3: U1.30 U3.17 U4.17 U5.17 U6.17 U7.17 U8.17 U9.25 U10.5 U16.30 U17.30
D4: U1.29 U3.18 U4.18 U5.18 U6.18 U7.18 U8.18 U9.54 U10.6 U16.29 U17.29
D5: U1.28 U3.19 U4.19 U5.19 U6.19 U7.19 U8.19 U9.55 U10.7 U16.28 U17.28
D6: U1.27 U3.20 U4.20 U5.20 U6.20 U7.20 U8.20 U9.63 U10.8 U16.27 U17.27
D7: U1.26 U3.21 U4.21 U5.21 U6.21 U7.21 U8.21 U9.64 U10.9 U16.26 U17.26
DATDD: J12.46 J20.46 J21.46 J28.34 R10.2 R48.1 U9.21 U10.1 U23.28
FPGA_33: J12.5 J12.6 J16.4 J20.5 J20.6 J21.5 J21.6 JP1.3 JP2.1 JP3.1 R43.1 R44.1 R55.1 R57.1 R58.1 U23.63
HIRA0: D4.1 J12.67 J20.67 J21.67 J28.55 U5.22 U9.17
HIRA1: D9.1 J12.68 J20.68 J21.68 J28.56 U6.22 U9.18
HIRA2: D10.1 J12.65 J20.65 J21.65 J28.53 U7.22 U9.20
HIRA3: D11.1 J12.66 J20.66 J21.66 J28.54 U8.22 U9.27
iecATN: J2.3 R3.2 U2.2
IECATTO: U2.1 U16.13
IECCLKI: J2.4 R2.2 U2.10 U16.16
IECCLKO: U2.11 U16.14
IECDATI: J2.5 R1.2 U2.8 U16.17
IECDATO: U2.9 U16.15
IECSRQ: J2.1 R17.2 U16.18
IOEN: J12.59 J20.59 J21.59 J28.47 U9.68
IRQ: D6.2 D8.2 J6.1 J12.47 J20.47 J21.47 J28.35 RN1.4 U1.4 U18.2 U23.27
KBCLK: J7.6 RN2.2 U15.18
KBDAT: J7.2 RN2.3 U15.4
MERC_L: C89.1 J10.3 R67.2
MERC_R: C90.1 J10.4 R68.2
MSCLK: J7.5 RN2.5 U15.9
MSDAT: J7.1 RN2.4 U15.8
NDESDAT0: C61.1 J8.4 RN3.3 U16.9
NDESDAT1: C62.1 J4.4 RN3.4 U16.8
NDESDAT2: C63.1 J18.5 RN3.5 U16.7
NDESDAT3: C64.1 J18.4 RN3.6 U16.6
NESCLK: C58.1 C59.1 C60.1 J4.2 J8.2 J18.1 RN3.2 U16.5
NESLATCH: C23.1 C56.1 C57.1 J4.3 J8.3 J18.3 U16.4
NMI: D5.2 J6.3 J12.51 J20.51 J21.51 J28.39 RN1.6 U1.6 U23.31
NMIBTN: J15.9 R16.1 SW3.1 U15.17
PWRBTN: J15.5 R11.1 SW1.1 U15.14
PWROK: J19.8 U15.12
PWRON: J19.16 R38.1 U15.13
RAEN: D3.1 J12.63 J20.63 J21.63 J28.51 U4.22 U9.28
RD#: J12.57 J20.57 J21.57 J28.45 U3.24 U4.24 U5.24 U6.24 U7.24 U8.24 U9.29 U18.6
RDY: J12.50 J20.50 J21.50 J28.38 RN1.3 U1.2 U23.29
ROEN: D2.1 J12.64 J20.64 J21.64 J28.52 U3.22 U9.30
RST: J2.6 J12.52 J20.52 J21.52 J28.40 R46.1 RN1.2 U1.40 U9.1 U15.20 U16.34 U17.34 U18.3 U19.7 U23.23
RSTBTN: J15.7 R15.1 SW2.1 U15.7
RWB: J12.48 J20.48 J21.48 J28.36 U1.34 U9.2 U16.22 U17.22 U23.26
SCL: J5.3 J12.56 J20.56 J21.56 J28.44 R14.1 U15.3 U16.3 U22.6
sCLK: J12.53 J20.53 J21.53 J28.41 U1.37 U9.70 U23.47
SD_MISO: J16.7 R44.2 U23.1
SD_MOSI: J16.3 R55.2 U23.3
SD_SCK: J16.5 R56.1 U23.2
SD_SSEL: J16.2 R57.2 U23.4
SDA: J5.4 J12.55 J20.55 J21.55 J28.43 R13.1 U15.1 U16.2 U22.5
SRLEN: J12.60 J20.60 J21.60 J28.48 U9.67
TCK: J3.1 U9.62
TDI: J3.9 R6.2 U9.14
TDO: J3.3 U9.71
TMS: J3.5 R5.2 U9.23
TNYRST: J5.5 R25.2 U15.10
UA16: U3.29 U4.2 U5.28 U6.28 U7.28 U8.28 U9.12 U13.9
UA17: U3.3 U5.3 U6.3 U7.3 U8.3 U9.11 U13.8
UA18: U3.2 U5.31 U6.31 U7.31 U8.31 U9.10 U13.7
UA19: U3.30 U5.2 U6.2 U7.2 U8.2 U9.9 U13.6
UA20: U3.1 U5.30 U6.30 U7.30 U8.30 U9.8 U13.5
UA21: U5.1 U6.1 U7.1 U8.1 U9.6 U13.4
UA22: U9.5 U13.3
UA23: U9.4 U13.2
vCLK: J12.54 J20.54 J21.54 J28.42 U9.69 U16.25 U17.25 U23.46
vDACL: J10.1 J14.1 U23.61
vDACR: J10.2 J14.2 U23.60
VERA_L: C85.1 J14.3 R19.2
VERA_R: C86.1 J14.4 R21.2
VIA0EN: D12.1 J12.62 J20.62 J21.62 J28.50 U9.31 U16.23
VIA1EN: D13.1 J12.61 J20.61 J21.61 J28.49 U9.65 U17.23
vref: J22.1 JP1.2 U23.13
WR#: J1.2 J12.58 J20.58 J21.58 J28.46 U4.29 U5.29 U6.29 U7.29 U8.29 U9.22 U18.5
yCLK: U18.24 X3.5
YMFEN: D15.1 J12.11 J20.11 J21.11 U9.77 U18.7
Net-(BT1-Pad1): BT1.1 R54.2
Net-(C32-Pad1): C32.1 R65.2
Net-(C32-Pad2): C32.2 R61.1 U20.8
Net-(C37-Pad1): C37.1 R66.2
Net-(C37-Pad2): C37.2 R62.1 U20.14
Net-(C40-Pad1): C40.1 C42.2 R22.1 U21.7
Net-(C41-Pad1): C41.1 C43.2 R23.1 U21.1
Net-(C42-Pad1): C42.1 J11.T
Net-(C43-Pad1): C43.1 J11.R
Net-(C44-Pad1): C44.1 U19.15 U20.3
Net-(C83-Pad2): C83.2 U22.1 Y1.1
Net-(C84-Pad2): C84.2 U22.2 Y1.2
Net-(C87-Pad1): C87.1 R63.2
Net-(C87-Pad2): C87.2 R59.1 U14.1
Net-(C88-Pad1): C88.1 R64.2
Net-(C88-Pad2): C88.2 R60.1 U14.7
Net-(C91-Pad1): C91.1 R71.2
Net-(C91-Pad2): C91.2 R69.1 U14.8
Net-(C92-Pad1): C92.1 R72.2
Net-(C92-Pad2): C92.2 R70.1 U14.14
Net-(D1-Pad2): D1.2 J19.9
Net-(D2-Pad2): D2.2 R28.2
Net-(D3-Pad2): D3.2 R29.2
Net-(D4-Pad2): D4.2 R30.2
Net-(D5-Pad1): D5.1 U15.19
Net-(D6-Pad1): D6.1 U15.11
Net-(D7-Pad1): D7.1 U16.21
Net-(D7-Pad2): D7.2 J6.2
Net-(D8-Pad1): D8.1 U17.21
Net-(D9-Pad2): D9.2 R31.2
Net-(D10-Pad2): D10.2 R32.2
Net-(D11-Pad2): D11.2 R33.2
Net-(D12-Pad2): D12.2 R34.2
Net-(D13-Pad2): D13.2 R35.2
Net-(D14-Pad2): D14.2 R73.2
Net-(D15-Pad2): D15.2 R37.2
Net-(D16-Pad2): D16.2 R38.2
Net-(D19-Pad2): D19.2 R41.2
Net-(D20-Pad2): D20.2 R42.2
Net-(D23-Pad2): D23.2 R45.1
Net-(D24-Pad2): D24.2 R47.1
Net-(D25-Pad2): D25.2 R49.1
Net-(D26-Pad2): D26.2 R51.1
Net-(D27-Pad1): D27.1 U22.3
Net-(D27-Pad2): D27.2 R54.1
Net-(J1-Pad1): J1.1 R4.2 U3.31
Net-(J9-Pad1): J9.1 R8.2
Net-(J9-Pad3): J9.3 R18.2
Net-(J13-Pad18): J13.18 JP3.2
Net-(J15-Pad1): J15.1 R74.1
Net-(J15-Pad3): J15.3 R75.1
Net-(J16-Pad1): J16.1 R58.2
Net-(J16-Pad8): J16.8 R43.2
Net-(Q1-Pad1): Q1.1 R45.2
Net-(Q1-Pad2): Q1.2 R46.2
Net-(Q2-Pad1): Q2.1 R47.2
Net-(Q2-Pad2): Q2.2 R48.2
Net-(Q3-Pad1): Q3.1 R49.2
Net-(Q3-Pad2): Q3.2 R50.2
Net-(Q4-Pad1): Q4.1 R51.2
Net-(Q4-Pad2): Q4.2 R52.2
Net-(Q7-Pad2): Q7.2 R36.1
Net-(R12-Pad1): R12.1 R61.2 U20.9
Net-(R19-Pad1): R19.1 R59.2 U14.2
Net-(R20-Pad1): R20.1 R62.2 U20.13
Net-(R21-Pad1): R21.1 R60.2 U14.6
Net-(R24-Pad1): R24.1 U20.6 U20.7
Net-(R24-Pad2): R24.2 U19.11
Net-(R36-Pad2): R36.2 U9.80
Net-(R53-Pad1): R53.1 U22.7
Net-(R67-Pad1): R67.1 R69.2 U14.9
Net-(R68-Pad1): R68.1 R70.2 U14.13
Net-(U18-Pad19): U18.19 U19.5
Net-(U18-Pad20): U18.20 U19.6
Net-(U18-Pad21): U18.21 U19.4
Net-(U18-Pad23): U18.23 U19.2
Net-(U19-Pad12): U19.12 U20.5

Pads without a net: H1 1; H2 1; H3 1; H4 1; H5 1; H6 1; J2 0; J3 6 7 8; J4 5 6; J8 5 6; J12 9; J13 13 14 15 16 19; J16 10 11; J19 20; J20 9; J21 9; U1 1 3 5 7 35 38 39; U2 4 6 12; U4 1; U9 56 57 58 60 61 73 74 75 76 79 81; U18 8 9; U23 16 24 25 59

## Copper pours and planes (outline as drawn; the poured copper is in the pictures)
+5V on In2.Cu: 243.96,0.04 0.04,0.04 0.04,183.3 243.96,183.3
GND on Top: 243.96,0.04 0.04,0.04 0.04,183.3 243.96,183.3
GND on Bottom: 243.96,0.04 0.04,0.04 0.04,183.3 243.96,183.3
GND on In1.Cu: 243.96,0.04 0.04,0.04 0.04,183.3 243.96,183.3

## Text on the board
Top: JBX16
F.SilkS: Data | A0-A15 | Bank/CPLD | HDMI V | Standby | 5v | 3.3v | SCLK | +3.3 | -12 | GND | A11 | A13 | A15 | A17 | A19 | A21 | A23 | ~{IRQ} | ~{NMI} | SDA | ~{VIA1} | ~{RAM} | ~{HR2} | ~{HR0} | ~{YM} | D7 | D5 | D3 | D1 | A1 | A3 | A5 | A7 | A9 | AD | ~{BE} | ~{RD} | ~{IO} | +5 | - | D6 | D4 | D2 | D0 | A0 | A2 | A4 | A6 | A8 | DD | R~{W} | ~{RDY} | ~{RST} | A10 | A12 | A14 | A16 | A18 | A20 | A22 | ~{WR} | +12 | SCL | ~{ROM} | ~{HR3} | ~{HR1} | ~{VIA0} | ~{UART} | CPLD | VCLK | +5 STBY | DIS | EN | SNES / P3/P4 | MERC | VERA | MERC ADC | $0000 / $0001 / $0002-$9EFF / $9F00-$9FFF / $A000-$BFFF / $C000-$FFFF | $9F00-$9F0F / $9F10-$9F1F / $9F20-$9F3F / $9F40-$9F41 / $9F42-$9FFF | RAM BANK / ROM BANK / RAM / IO / BANKED RAM / ROM | VIA 0 / VIA 1 / VERA / YM / OPEN | JBX16
